# Altium PCB RTM_SFP.PcbDoc (part 2 of 7)
Units mm, origin at the board's own origin, x right, y up, seen from the top; angles counter-clockwise.
Board outline 182.5 x 148.5 mm, 4 copper layers (Top Layer, MidPlane_1, MidPlane_2, Bottom Layer), stack 0.883 mm thick; 377 components, 317 nets, 1528 pads, 1541 vias.
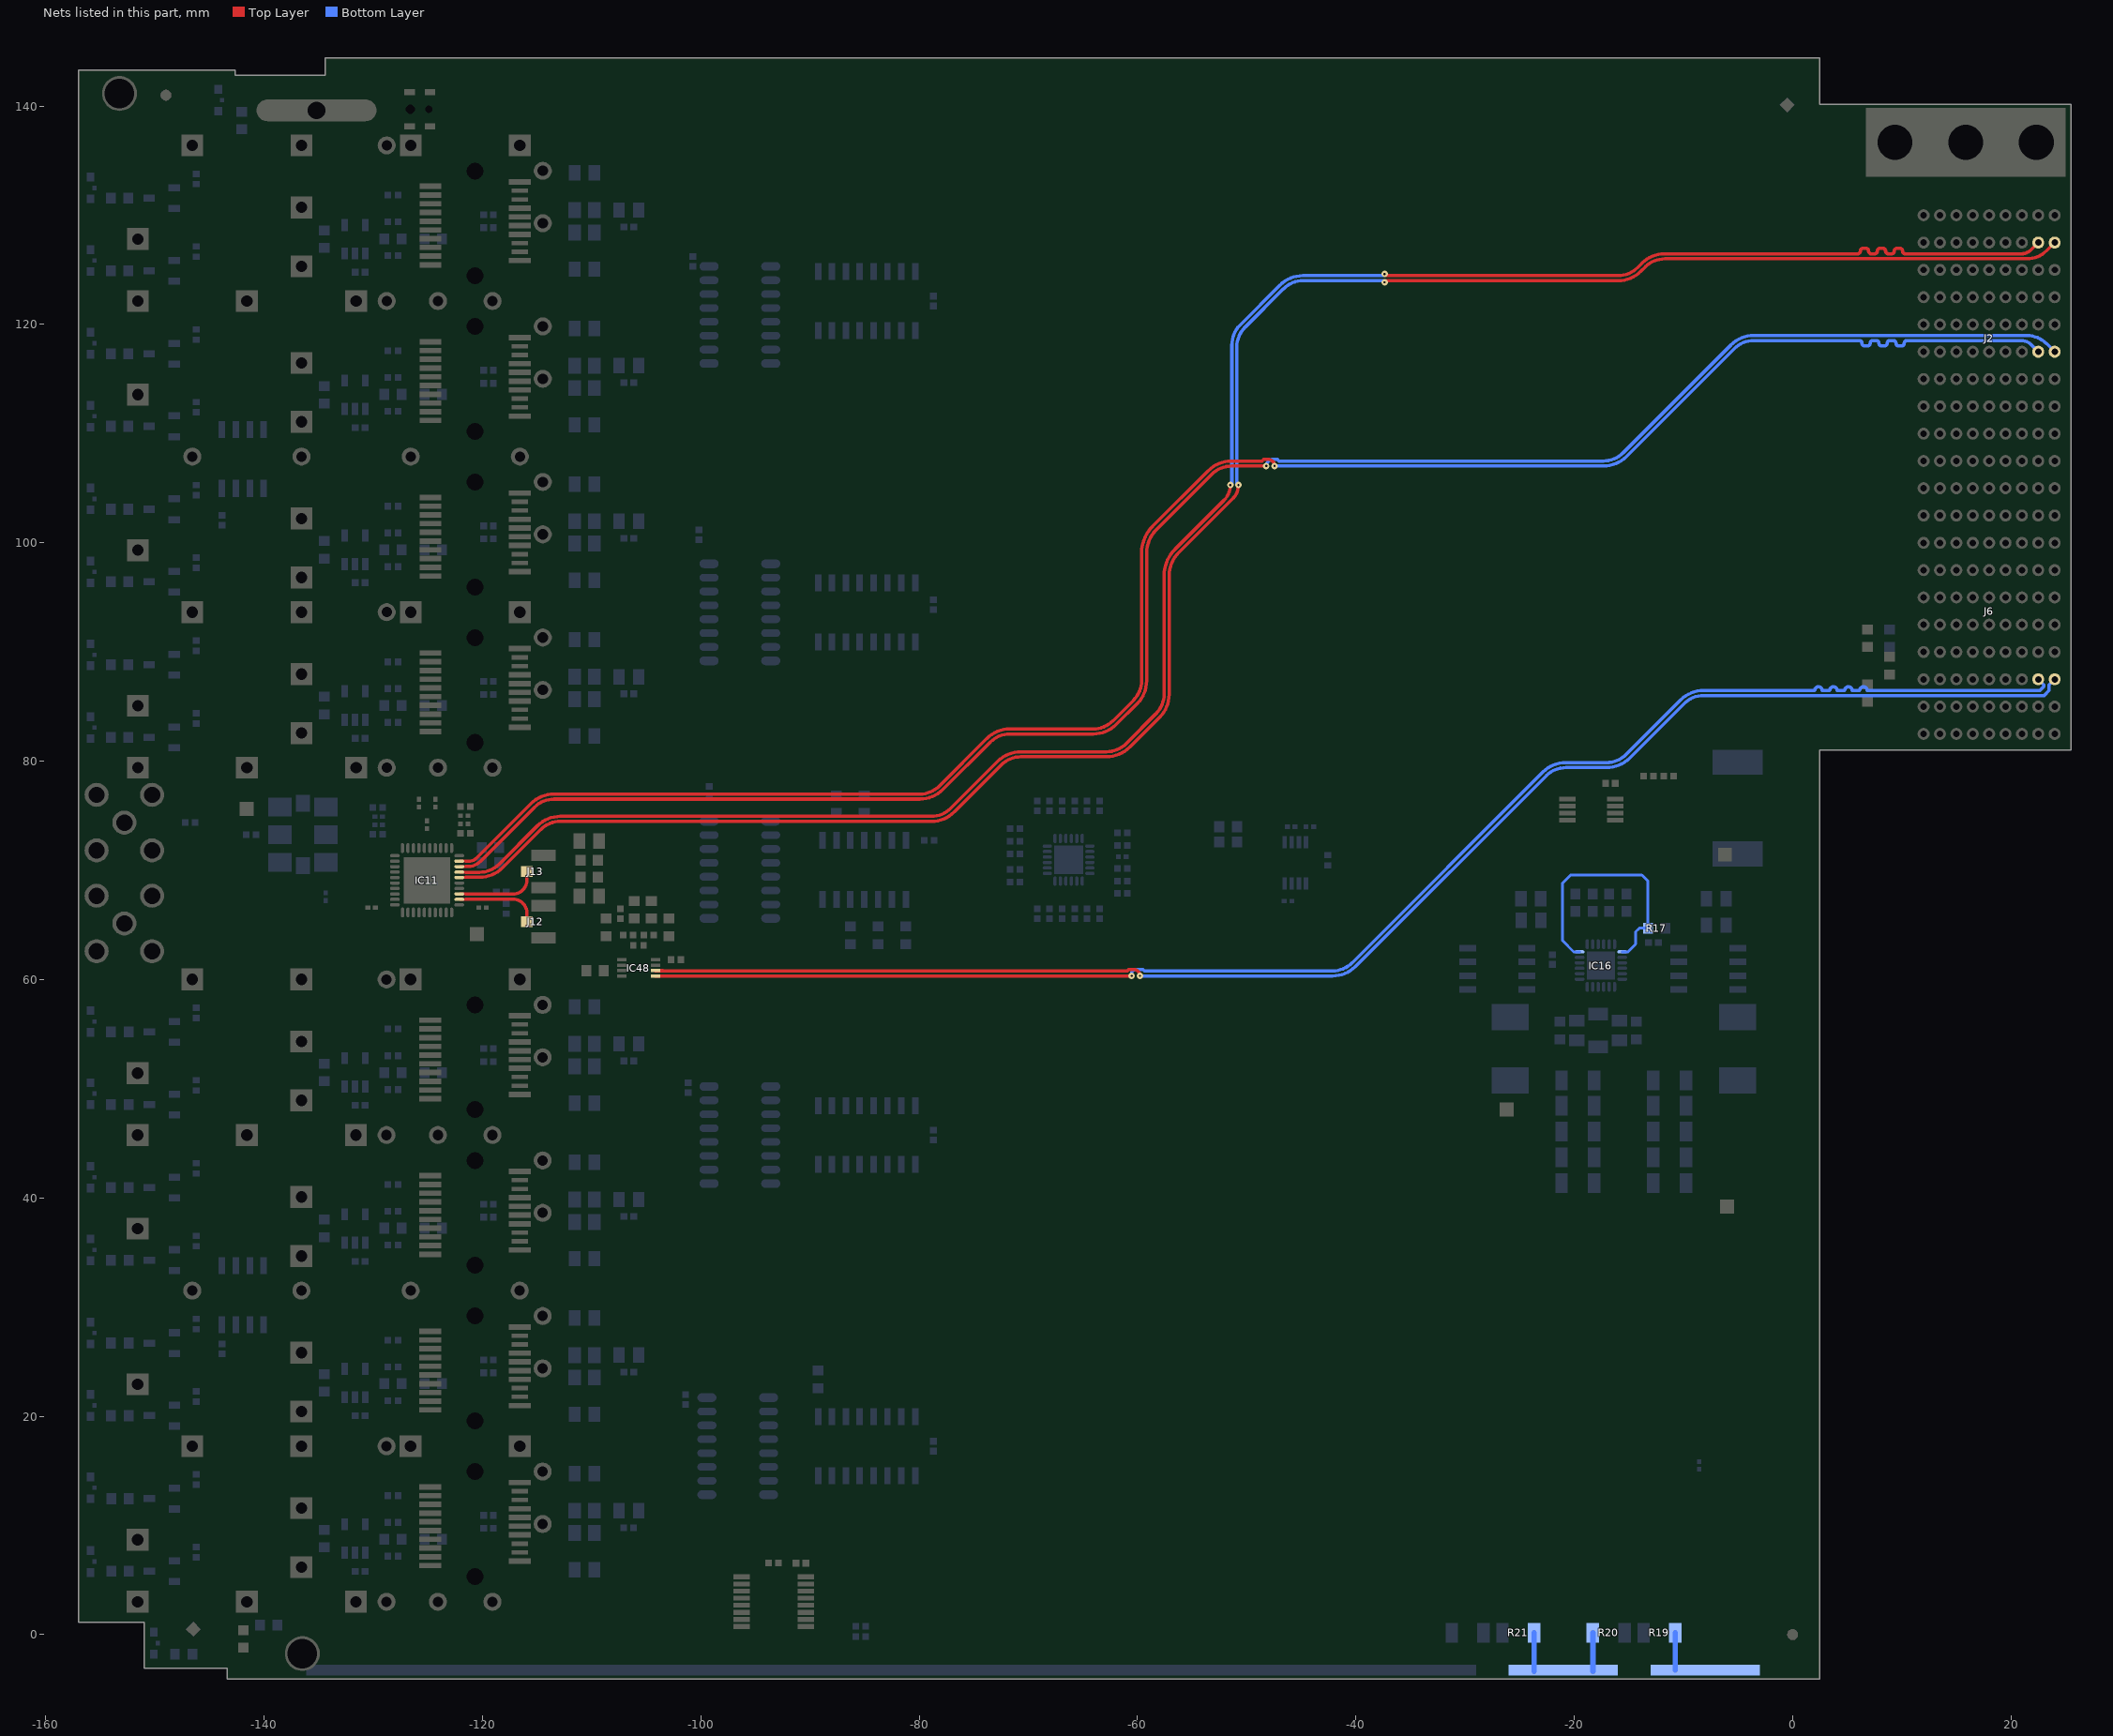
[diagram p4: the nets of this part, all layers, seen from the top]

## Footprints (in the part's own frame and the unit in brackets; to place one, negate y for a bottom-side part, rotate by r counter-clockwise, add the part's x,y. Pads: shape width x height; smd on the part's side, far side on the other; paste and mask are expansions set on the pad) (continued)
TYCO_1888247-1 [mm] "20 Position, Pitch 0.8mm SFP Receptacle (Small Form-factor Pluggable)"
  rect 2x0.5 smd: 1(-4.1,3.395) 2(-4.1,2.595) 3(-4.1,1.795) 4(-4.1,0.995) 5(-4.1,0.195) 6(-4.1,-0.605) 7(-4.1,-1.405) 8(-4.1,-2.205) 9(-4.1,-3.005) 10(-4.1,-3.805) 11(4.1,-3.405) 14(4.1,-1.005) 15(4.1,-0.205) 16(4.1,0.595) 17(4.1,1.395) 20(4.1,3.795)
  rect 1.5x0.4 smd: 12(4.1,-2.605) 13(4.1,-1.805) 18(4.1,2.195) 19(4.1,2.995)
  round 1 hole 1.55 unplated mask+0.28: MTG1(0,4.795) MTG2(0,-4.805)
  Top Layer keep-out lines w0.1: -4.34,-5.755 3.94,-5.755 3.94,-4.805 3.94,-3.995 2.88,-3.995 2.88,-3.855 -2.88,-3.855 -2.88,-4.395 -4.34,-4.395 -4.34,-5.755 ; -4.34,3.985 -2.88,3.985 -2.88,3.845 2.88,3.845 2.88,4.385 3.94,4.385 3.94,5.745 -4.34,5.745 -4.34,3.985
  silkscreen extent -42.4,-7.77 6.3,7.77, body extent -4.5,-5.5 4.5,5.5, height 5.22
TYCO_2007132-1 [mm] "SFP+ 1x4 Press Fit Cage"
  rect 2x2 hole 1.05: 1(-25.9,28.5) 2(-15.9,28.5) 3(-5.9,28.5) 4(4.1,28.5) 5(-15.9,22.825) 6(-30.9,19.925) 7(-15.9,17.425) 8(-30.9,14.25) 9(-20.9,14.25) 10(-10.9,14.25) 11(-15.9,8.575) 12(-30.9,5.675) 13(-15.9,3.175) 14(-15.9,-5.675) 15(-30.9,-8.575) 16(-15.9,-11.075) 17(-25.9,-14.25) 18(-15.9,-14.25) 19(-5.9,-14.25) 20(4.1,-14.25) 21(-15.9,-19.925) 22(-30.9,-22.825) 23(-15.9,-25.325) 24(-30.9,-28.5) 25(-20.9,-28.5) 26(-10.9,-28.5)
  round 1.65 hole 0.95: 27(-8.1,28.5) 28(6.2,26.175) 29(6.2,21.375) 30(-8.1,14.25) 31(-3.4,14.25) 32(1.6,14.25) 33(6.2,11.925) 34(6.2,7.125) 35(-25.9,0) 36(-15.9,0) 37(-5.9,0) 38(4.1,0) 39(6.2,-2.325) 40(6.2,-7.125) 41(-8.1,-14.25) 42(6.2,-16.575) 43(6.2,-21.375) 44(-8.1,-28.5) 45(-3.4,-28.5) 46(1.6,-28.5)
  silkscreen extent -42.4,-29.52 6.57,29.52, body extent -42.4,-29.52 6.57,29.53, height 10.59
TYCO_6469183-1 [mm] "60 Positions, Pitch 2.5mm,  Advanced TCA, Z-PACK HM-Zd BackPlane Press Fit Header"
  round 1.1 hole 0.6: A1(6,-11.25) A2(6,-8.75) A3(6,-6.25) A4(6,-3.75) A5(6,-1.25) A6(6,1.25) A7(6,3.75) A8(6,6.25) A9(6,8.75) A10(6,11.25) B1(4.5,-11.25) B2(4.5,-8.75) B3(4.5,-6.25) B4(4.5,-3.75) B5(4.5,-1.25) B6(4.5,1.25) B7(4.5,3.75) B8(4.5,6.25) B9(4.5,8.75) B10(4.5,11.25) BG1(3,-11.25) BG2(3,-8.75) BG3(3,-6.25) BG4(3,-3.75) BG5(3,-1.25) BG6(3,1.25) BG7(3,3.75) BG8(3,6.25) BG9(3,8.75) BG10(3,11.25) C1(1.5,-11.25) C2(1.5,-8.75) C3(1.5,-6.25) C4(1.5,-3.75) C5(1.5,-1.25) C6(1.5,1.25) C7(1.5,3.75) C8(1.5,6.25) C9(1.5,8.75) C10(1.5,11.25) D1(0,-11.25) D2(0,-8.75) D3(0,-6.25) D4(0,-3.75) D5(0,-1.25) D6(0,1.25) D7(0,3.75) D8(0,6.25) D9(0,8.75) D10(0,11.25) DG1(-1.5,-11.25) DG2(-1.5,-8.75) DG3(-1.5,-6.25) DG4(-1.5,-3.75) DG5(-1.5,-1.25) DG6(-1.5,1.25) DG7(-1.5,3.75) DG8(-1.5,6.25) DG9(-1.5,8.75) DG10(-1.5,11.25) E1(-3,-11.25) E2(-3,-8.75) E3(-3,-6.25) E4(-3,-3.75) E5(-3,-1.25) E6(-3,1.25) E7(-3,3.75) E8(-3,6.25) E9(-3,8.75) E10(-3,11.25) F1(-4.5,-11.25) F2(-4.5,-8.75) F3(-4.5,-6.25) F4(-4.5,-3.75) F5(-4.5,-1.25) F6(-4.5,1.25) F7(-4.5,3.75) F8(-4.5,6.25) F9(-4.5,8.75) F10(-4.5,11.25) FG1(-6,-11.25) FG2(-6,-8.75) FG3(-6,-6.25) FG4(-6,-3.75) FG5(-6,-1.25) FG6(-6,1.25) FG7(-6,3.75) FG8(-6,6.25) FG9(-6,8.75) FG10(-6,11.25)
  silkscreen extent -6.65,-12 23.35,12.9, body extent -6.65,-12 23.35,12.9, height 13.31

## Part data
C1 C2 C3 C4 C5 C6 C7 C8 C16 C17 C18 C19 C20 C21 C22 C23 C25 C26 C27 C28 C186A C186B C186C C186D C186E C186F C186G C186H C202A C202B C202C C202D C202E C202F C202G C202H C214A C214B C214C C214D C214E C214F C214G C214H C228A C228B C228C C228D C228E C228F C228G C228H: library part CC0402_100NF_16V_10%_X7R, "Non-polarised capacitor", Case=0402, Manufacturer=GENERIC, Manufacturer1 ComponentHeight=0.55mm, Manufacturer1 Example=PHYCOMP, Manufacturer1 Part Number=223878715649, Tolerance=±10%, Voltage=16V, Author="CERN DEM JLC", Component Type=Standard, HelpURL=\\cern.ch\dfs\Applications\Altium\Datasheets\CC0402_X7R_PHYCOMP.pdf, Manufacturer Part Number=CC0402_100NF_16V_10%_X7R, Part Description="SMD Multilayer Chip Ceramic Capacitor", Part Number=CC0402_100NF_16V_10%_X7R, Pin Count=2, SMD=Yes, Socket=No, Status="Not Recommended", Table="Capacitors SMD", TC=X7R
  C1 C2 C3 C4 C5 C6 C7 C8 C16 C17 C18 C19 C20 C21 C22 C23 C25 C26 C27 C28 C186A C186B C186C C186D C186E C186F C186G C186H C214A C214B C214C C214D C214E C214F C214G C214H C228A C228B C228C C228D C228E C228F C228G C228H: CreateDate=12/3/2007, LatestRevisionDate=12/3/2007, Mounted=Yes
  C202A C202B C202C C202D C202E C202F C202G C202H: CreateDate=2007-12-03, LatestRevisionDate=2007-12-03, Mounted=No
C9 C10 C12 C13A C13B C13C C13D C13E C13F C13G C13H C14 C24 C84 C219A C219B C219C C219D C219E C219F C219G C219H C220A C220B C220C C220D C220E C220F C220G C220H C386 C390: library part CC0805_10UF_10V_10%_X7R, "Non-polarised capacitor", Case=0805, Manufacturer=GENERIC, Manufacturer1 ComponentHeight=1.35mm, Manufacturer1 Example=MURATA, Manufacturer1 Part Number=GRM21BR71A106KE51L, Tolerance=±10%, Voltage=10V, Author="CERN DEM JLC", Component Type=Standard, HelpURL=\\cern.ch\dfs\Applications\Altium\Datasheets\CC0805_X7R_MURATA.pdf, Manufacturer Part Number=CC0805_10UF_10V_10%_X7R, Mounted=Yes, Part Description="SMD Multilayer Chip Ceramic Capacitor", Part Number=CC0805_10UF_10V_10%_X7R, Pin Count=2, SMD=Yes, Socket=No, Status=Preferred, TC=X7R
  C9 C10 C12 C14 C84 C386: CreateDate=30/04/2012, LatestRevisionDate=30/04/2012, Sense=No
  C13A C13B C13C C13D C13E C13F C13G C13H C24 C219A C219B C219C C219D C219E C219F C219G C219H C220A C220B C220C C220D C220E C220F C220G C220H C390: CreateDate=2012-04-30, LatestRevisionDate=2012-04-30, Table="Capacitors SMD"
C11 C280: library part CC0402_100NF_16V_10%_X7R, "Non-polarised capacitor", Case=0402, Manufacturer=GENERIC, Manufacturer1 ComponentHeight=0.55mm, Manufacturer1 Example=MURATA, Manufacturer1 Part Number=GRM155R71C104KA88D, Tolerance=±10%, Voltage=16V, Author="CERN DEM JLC", Component Type=Standard, CreateDate=05/12/2013, HelpURL=\\cern.ch\dfs\Applications\Altium\Datasheets\CC0402_X7R_MURATA_GRM.pdf, LatestRevisionDate=03/12/2007, Manufacturer Part Number=CC0402_100NF_16V_10%_X7R, Mounted=Yes, Part Description="SMD Multilayer Chip Ceramic Capacitor", Part Number=CC0402_100NF_16V_10%_X7R, Pin Count=2, Sense=No, SMD=Yes, Socket=No, Status="Not Recommended", TC=X7R
C15 C176 C179 C180 C181 C182 C207 C208 C209 C210 C213: library part CC1206_22UF_10V_10%_X7R, "Non-polarised capacitor", Case=1206, Manufacturer=GENERIC, Manufacturer1 ComponentHeight=1.8mm, Manufacturer1 Example=MURATA, Manufacturer1 Part Number=GRM31CR71A226KE15L, Tolerance=±10%, Voltage=10V, Author="CERN DEM JLC", Component Type=Standard, CreateDate=2010-06-08, HelpURL=\\cern.ch\dfs\Applications\Altium\Datasheets\CC1206_X7R_MURATA_GRM-HI-CAP.pdf, LatestRevisionDate=2010-06-08, Manufacturer Part Number=CC1206_22UF_10V_10%_X7R, Mounted=Yes, Part Description="SMD Multilayer Chip Ceramic Capacitor", Part Number=CC1206_22UF_10V_10%_X7R, Pin Count=2, SMD=Yes, Socket=No, Status=Preferred, Table="Capacitors SMD", TC=X7R
C29 C30 C31 C391 C392 C393 C394 C395 C396 C397 C399 C400 C401 C402 C403: library part CC0201_100NF_6.3V_10%_X5R, "Non-polarised capacitor", Case=0201, Manufacturer=GENERIC, Manufacturer1 ComponentHeight=0.33mm, Manufacturer1 Example=AVX, Manufacturer1 Part Number=02016D104KAT2A, Tolerance=±10%, Voltage=6.3V, Author="CERN DEM JLC", Component Type=Standard, CreateDate=2007-12-03, HelpURL=\\cern.ch\dfs\Applications\Altium\Datasheets\CC0201_X5R_AVX.pdf, LatestRevisionDate=2007-12-03, Manufacturer Part Number=CC0201_100NF_6.3V_10%_X5R, Mounted=Yes, Part Description="SMD Multilayer Chip Ceramic Capacitor", Part Number=CC0201_100NF_6.3V_10%_X5R, Pin Count=2, SMD=Yes, Socket=No, Status="Not Recommended", Table="Capacitors SMD", TC=X5R
Cage1 Cage2: library part TYCO_2007132-1, "SFP+  1x4 Cage (46 Pins)", Manufacturer="TYCO ELECTRONICS", Manufacturer Part Number=2007132-1, Author="CERN DEM JLC", ComponentHeight=9.7mm, Component Type=Standard, CreateDate=2013-06-04, Family=SFP+, HelpURL=\\cern.ch\dfs\Applications\Altium\Datasheets\TYCO_2007132-1.pdf, LatestRevisionDate=2013-06-12, Mounted=Yes, Part Description="1x4 Press Fit Cage For Use with SFP+ Connector (Small Form-factor Pluggable)", Part Number=TYCO_2007132-1, Pin Count=46, SMD=No, Socket=No, Status=None, Table=TYCO
F1: library part FUSR_TYCO_SMD150F-2, "Fuse", Manufacturer="TYCO ELECTRONICS", Manufacturer Part Number=SMD150F-2, Author="CERN DEM JLC", ComponentHeight=3mm, Component Type=Standard, CreateDate=2010-03-17, Family="Fuses Resettable", HelpURL=\\cern.ch\dfs\Applications\Altium\Datasheets\FUSR_TYCO_SMD150F-2.pdf, LatestRevisionDate=2010-03-17, Mounted=Yes, PackageDescription="PolySwitch, 2-Leads, Body 8.7x6.35mm Nominal", Part Description="PolySwitch® PTC Overcurrent Protection Device", Part Number=FUSR_TYCO_SMD150F-2, Pin Count=2, SMD=Yes, Socket=No, Table=Fuses
FTG1 FTG3 FTG5 FTG7: library part FIDUCIAL_TARGET_S100-200, "Fiducial Target", Author="CERN DEM JLC", ComponentHeight=0mm, Component Type="Standard (No BOM)", CreateDate=2010-02-09, Family=Fiducial, LatestRevisionDate=2012-04-04, Mounted=No, PackageDescription="Square Fiducial Target, Top Layer, 1.0mm, Top Solder 2.0mm, Keepout =2.0mm", Part Description="Square Fiducial Target, Top Layer, 1.0mm, Top Solder 2.0mm, Keepout =2.0mm", Part Number=FIDUCIAL_TARGET_S100-200, Pin Count=1, SMD=Yes, Socket=No, Status=None, Table=Pads
FTG2 FTG4 FTG6 FTG8: library part FIDUCIAL_TARGET_C100-200, "Fiducial Target", Author="CERN DEM JLC", ComponentHeight=0mm, Component Type="Standard (No BOM)", CreateDate=2010-02-09, Family=Fiducial, LatestRevisionDate=2012-04-04, Mounted=No, PackageDescription="Round Fiducial Target, Top Layer, 1.0mm, Top Solder 2.0mm, Keepout =2.0mm", Part Description="Round Fiducial Target, Top Layer, 1.0mm, Top Solder 2.0mm, Keepout =2.0mm", Part Number=FIDUCIAL_TARGET_C100-200, Pin Count=1, SMD=Yes, Socket=No, Status=None, Table=Pads
IC1: "Hex Inverter", Case=SOIC14, Manufacturer="NXP SEMICONDUCTORS", Author="CERN DEM JLC", ComponentHeight=1.75mm, Component Type=Standard, CreateDate=2011-04-06, Device=74HC04D, HelpURL=\\cern.ch\dfs\Applications\Altium\Datasheets\74HC04D.pdf, LatestRevisionDate=2011-04-06, Manufacturer Part Number=74HC04D, Mounted=Yes, PackageDescription="SOIC 14, Pitch 1.27mm - Body 4x8.75mm, IPC Medium Density", Part Description="Hex Inverters", Part Number=74HC04D, Pin Count=12, SMD=Yes, Socket=No, Table="Standard Logic"
IC2 IC5 IC7 IC9: "8-Bit Parallel-In/Serial Out Shift Register", Case=SOIC16, Manufacturer="NXP SEMICONDUCTORS", Author="CERN DEM JLC", ComponentHeight=1.75mm, Component Type=Standard, CreateDate=2012-04-26, Device=74HC165D, HelpURL=\\cern.ch\dfs\Applications\Altium\Datasheets\74HC165D.pdf, LatestRevisionDate=2012-04-26, Manufacturer Part Number=74HC165D, Mounted=Yes, PackageDescription="SOIC 16, Pitch 1.27mm - Body 4x10mm, IPC Medium Density", Part Description="8-Bit Parallel-In/Serial Out Shift Register", Part Number=74HC165D, Pin Count=16, SMD=Yes, Socket=No, Table="Standard Logic"
IC3 IC4 IC6 IC8 IC10: "High-Speed CMOS Logic, 8-Stage Shift and Store Bus Register, Three-State", Case=SOIC16, Manufacturer=NXP, Author="LNLS DIG LOS", Bonding=No, ComponentHeight=1.75mm, Component Type=Standard, CreateDate=27/01/2017, Device=74HC4094D, LatestRevisionDate=27/01/2017, Manufacturer Part Number=74HC4094D, Mounted=Yes, PackageDescription="SOIC 16, Pitch 1.27mm - Body 4x10mm, IPC Medium Density", Part Description="High-Speed CMOS Logic, 8-Stage Shift and Store Bus Register, Three-State", Part Number=74HC4094D, Pin Count=16, PressFit=No, Sense=No, SMD=Yes, Socket=No
IC11: "2:16 Low Additive Jitter LVDS Buffer", Case=VQFN40, Manufacturer="TEXAS INSTRUMENTS", Author="LNLS DIG LOS", Bonding=No, ComponentHeight=1mm, Component Type=Standard, CreateDate=03/02/2017, Device=CDCLVD1212RHA, LatestRevisionDate=03/02/2017, Manufacturer Part Number=CDCLVD1212RHA, Mounted=Yes, PackageDescription="QFN, 0.50mm Pitch, Square; 40 Pin, 6.00mm L X 6.00mm W X 0.80mm H body (w/Thermal Tab 4.25 x 4.25mm), IPC Medium Density", Part Description="2:12 Low Additive Jitter LVDS Buffer", Part Number=CDCLVD1212RHA, Pin Count=41, PressFit=No, Sense=No, SMD=Yes, Socket=No
IC12 IC13: "Digital Temperature Sensor and Thermal Watchdog with Two-Wire Interface", Case=SOIC8, Manufacturer="TEXAS INSTRUMENTS", Author="CERN DEM JLC", Bonding=No, ComponentHeight=1.75mm, Component Type=Standard, CreateDate=15/10/2012, Device=LM75AIM/NOPB, HelpURL=\\cern.ch\dfs\Applications\Altium\Datasheets\LM75AIM-NOPB.pdf, LatestRevisionDate=15/10/2012, Manufacturer Part Number=LM75AIM/NOPB, Mounted=Yes, PackageDescription="SOIC 8, Pitch 1.27mm - Body 4x5mm, IPC Medium Density", Part Description="-25° to +100°C ±2°C Digital Temperature Sensor and Thermal Watchdog with Two-Wire Interface", Part Number=LM75AIM/NOPB, Pin Count=8, PressFit=No, Sense=No, SMD=Yes, Socket=No
IC14: "8-Bit I2C-Bus and SMBus I/O Port with Interrupt", Case=TSSOP16, Manufacturer="NXP SEMICONDUCTORS", Author="CERN DEM JLC", Bonding=No, ComponentHeight=1.1mm, Component Type=Standard, CreateDate=04/11/2014, Device=PCA9554PW, HelpURL=\\cern.ch\dfs\Applications\Altium\Datasheets\PCA9554PW.pdf, LatestRevisionDate=04/11/2014, Manufacturer Part Number=PCA9554PW, Mounted=Yes, PackageDescription="SOP, 0.65mm pitch; 16 pin, 4.40mm W X 5.00mm L X 1.10mm H body IPC Medium Density", Part Description="8-Bit I2C-Bus and SMBus I/O Port with Interrupt", Part Number=PCA9554PW, Pin Count=16, PressFit=No, Sense=No, SMD=Yes, Socket=No
IC15: "64K I2C Serial EEPROM", Case=MSOP8, Manufacturer="MICROCHIP TECHNOLOGY", Author="CERN DEM JLC", ComponentHeight=1.1mm, Component Type=Standard, CreateDate=2011-01-24, Device=24LC64-I/MS, HelpURL=\\cern.ch\dfs\Applications\Altium\Datasheets\24LC64-I-MS.pdf, LatestRevisionDate=2011-01-24, Manufacturer Part Number=24LC64-I/MS, Mounted=Yes, PackageDescription="SOP, 0.65mm pitch; 8 pin, 3.00mm W X 3.00mm L X 1.10mm H body, IPC Medium Density", Part Description="2.5V-5.5V, 64K (8K x 8-bit) I2C Serial EEPROM", Part Number=24LC64-I/MS, Pin Count=8, SMD=Yes, Socket=No, Table=Logic
IC16: "Dual Synchronous Step-Down Controller For Low Voltage Power Rails", Case=QFN24, Manufacturer="TEXAS INSTRUMENTS", Author="CERN DEM JLC", ComponentHeight=1.0mm, Component Type=Standard, CreateDate=2010-08-26, Device=TPS53126RGET, HelpURL=\\cern.ch\dfs\Applications\Altium\Datasheets\TPS53126RGET.pdf, LatestRevisionDate=2010-08-26, Manufacturer Part Number=TPS53126RGET, Mounted=Yes, PackageDescription="QFN,0.50mm pitch,square;6 pin X 6 pin,4.15mm X 4.15mm X 1.00mm H body (w/thermal tab 2.55 X 2.55mm),  IPC Medium Density", Part Description="Dual Synchronous Step-Down Controller For Low Voltage Power Rails", Part Number=TPS53126RGET, Pin Count=25, SMD=Yes, Socket=No, Table="Analog & Interface"
IC17: "2-Bit Bidirectionnal Voltage-Level Translator for Open-Drain And Push-Pull Applications", Case=SSOP8, Manufacturer="TEXAS INSTRUMENTS", Author="CERN DEM JLC", Bonding=No, ComponentHeight=1.3mm, Component Type=Standard, CreateDate=04/12/2013, Device=TXS0102DCTT, HelpURL=\\cern.ch\dfs\Applications\Altium\Datasheets\TXS0102DCTT.pdf, LatestRevisionDate=04/12/2013, Manufacturer Part Number=TXS0102DCTT, Mounted=Yes, PackageDescription="SOP, 0.65mm, Pitch; 8 Pin, 2.80mm W X 2.95mm L X 1.30mm H Body, PC Medium Density", Part Description="2-Bit Bidirectionnal Voltage-Level Translator for Open-Drain And Push-Pull Applications", Part Number=TXS0102DCTT, Pin Count=8, PressFit=No, Sense=No, SMD=Yes, Socket=No
IC20A IC20B IC20C IC20D IC20E IC20F IC20G IC20H: "High-Speed Differential Line Receiver", Case=SOT23-5, Manufacturer="TEXAS INSTRUMENTS", Author="CERN DEM JLC", ComponentHeight=1.45mm, Component Type=Standard, CreateDate=3/3/2011, Device=SN65LVDS2DBVR, HelpURL=\\cern.ch\dfs\Applications\Altium\Datasheets\SN65LVDS2DBVR.pdf, LatestRevisionDate=3/3/2011, Manufacturer Part Number=SN65LVDS2DBVR, Mounted=No, PackageDescription="SOT, 0.95mm pitch; 5 pin, 1.60mm W X 2.90mm L X 1.45mm H body, IPC Medium Density", Part Description="High-Speed Differential Line Receiver", Part Number=SN65LVDS2DBVR, Pin Count=5, SMD=Yes, Socket=No, Table="Analog & Interface"
IC39: "8-channel I2C-bus multiplexer with reset, INT and timeout", Case=TQFN-EP, Manufacturer=MAXIM, Author="LNLS DIG GBMB", Bonding=No, ComponentHeight=0.8mm, Component Type=Standard, CreateDate=04/02/2017, Device=MAX7357ETG+, LatestRevisionDate=04/02/2017, Manufacturer Part Number=MAX7357ETG+, Mounted=Yes, PackageDescription="QFN, 0.50mm Pitch, Square; 6 Pin X 6 Pin, 4mm X 4mm Body (w/Thermal Tab 2.65 X 2.65 mm), IPC Medium Density", Part Description="1-to8 I2C Bus Switch/Multiplexer with Bus Lock-Up Detection, Isolation, and Notification", Part Number=MAX7357ETG+, Pin Count=25, PressFit=No, Sense=No, SMD=Yes, Socket=No
IC48: "LVDS Single Port High Speed Repeater", Case=TSSOP8, Manufacturer=Fairchild, Author="LNLS DIG GBMB", Bonding=No, ComponentHeight=0.9mm, Component Type=Standard, CreateDate=04/02/2017, Device=FIN1101K8X, LatestRevisionDate=04/02/2017, Manufacturer Part Number=FIN1101K8X, Mounted=Yes, PackageDescription="SOP, 0.50mm pitch; 8 pin, 2.30mm W X 2.00mm L X 0.90mm H body, PC Medium Density", Part Description="LVDS Single Port High Speed Repeater", Part Number=FIN1101K8X, Pin Count=8, PressFit=No, Sense=No, SMD=Yes, Socket=No
J1: library part TYCO_1469265-1, "Single Pin Male", Manufacturer="TYCO ELECTRONICS", Manufacturer Part Number=1469265-1, Author="CERN DEM JLC", ComponentHeight=9.78mm, Component Type=Standard, CreateDate=28/08/2013, HelpURL=\\cern.ch\dfs\Applications\Altium\Datasheets\TYCO_1469265-1.pdf, LatestRevisionDate=28/08/2013, Mounted=Yes, Part Description="Universal Right Angle Male Power Module Guide (keyed)", Part Number=TYCO_1469265-1, Pin Count=1, PressFit=No, Sense=No, SMD=No, Socket=No, Status=None
J2 J6: library part TYCO_6469183-1, "Connector 60 ATCA Male 30 Pairs (60 Signals) + 3x10 Ground", Manufacturer="TYCO ELECTRONICS", Manufacturer Part Number=6469183-1, Author="CERN DEM JLC", ComponentHeight=13.31mm, Component Type=Standard, CreateDate=28/08/2013, Family="Advanced TCA", HelpURL=\\cern.ch\dfs\Applications\Altium\Datasheets\TYCO_6469183-1.pdf, LatestRevisionDate=28/08/2013, Mounted=Yes, Part Description="60 Positions, Pitch 2.5mm,  Advanced TCA, Z-PACK HM-Zd Right Angle Press Fit Header", Part Number=TYCO_6469183-1, Pin Count=90, PressFit=Yes, Sense=No, SMD=No, Socket=No, Status=None
J3 J4: library part HUBER-SUHNER_85_SMA-50-0-101/111_NE, Manufacturer=HUBER+SUHNER, Manufacturer Part Number=85_SMA-50-0-101/111_NE, Author="CERN DEM JLC", ComponentHeight=9.6mm, Component Type=Standard, CreateDate=20/04/2010, Family=SMA, HelpURL=\\cern.ch\dfs\Applications\Altium\Datasheets\HUBER-SUHNER_85_SMA-50-0-101-111_NE.pdf, LatestRevisionDate=06/11/2014, Mounted=Yes, Part Description="SMA 50 Ohms Right Angle PCB Jack", Part Number=HUBER-SUHNER_85_SMA-50-0-101/111_NE, Pin Count=2, PressFit=No, Sense=No, SMD=No, Socket=No, Status=None
J5A J5B J5C J5D J5E J5F J5G J5H: library part TYCO_1888247-1, "20 Position SFP+ Connector (Small Form-factor Pluggable)", Manufacturer="TYCO ELECTRONICS", Manufacturer Part Number=1888247-1, Author="CERN DEM JLC", ComponentHeight=5.4mm, Component Type=Standard, CreateDate=2012-02-27, Family=SFP+, HelpURL=\\cern.ch\dfs\Applications\Altium\Datasheets\TYCO_1888247-1.pdf, LatestRevisionDate=2012-02-27, Mounted=Yes, Part Description="20 Position, Pitch 0.8mm SFP+  Receptacle (Small Form-factor Pluggable)", Part Number=TYCO_1888247-1, Pin Count=20, SMD=Yes, Socket=No, Status=None, Table=TYCO